# Altium PCB FMC_Breakout.PcbDoc (part 1 of 3)
Units mil, origin at the board's own origin, x right, y up, seen from the top; angles counter-clockwise.
Board outline 2749 x 2731 mil, 4 copper layers (Top Layer, GND, GND (Plane2), Bottom Layer), stack 18.11 mil thick; 9 components, 186 nets, 950 pads, 419 vias.
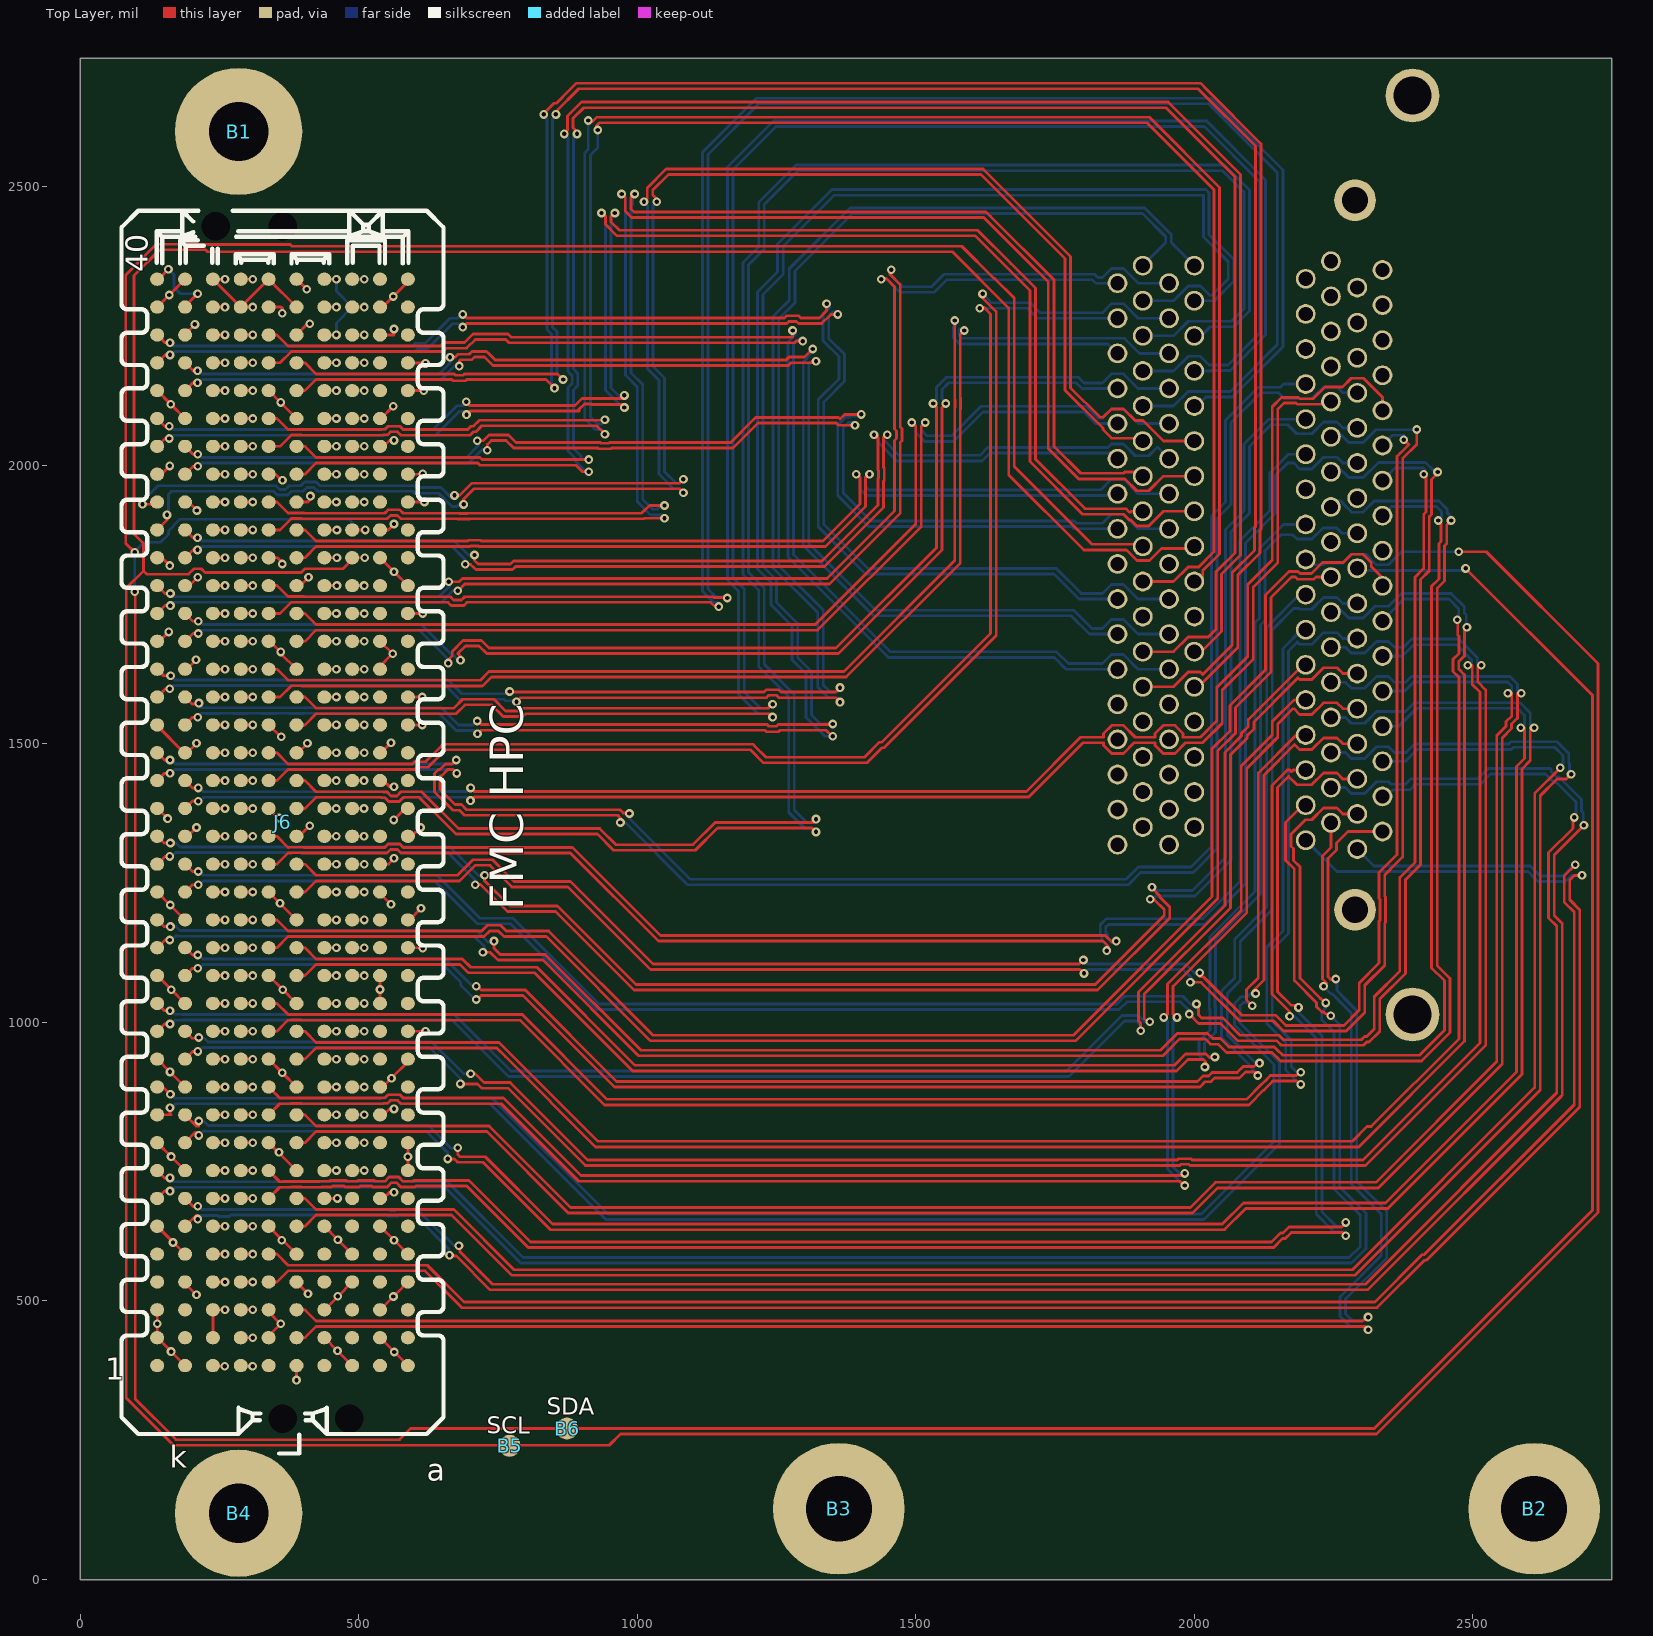
[diagram p0: Top Layer view]
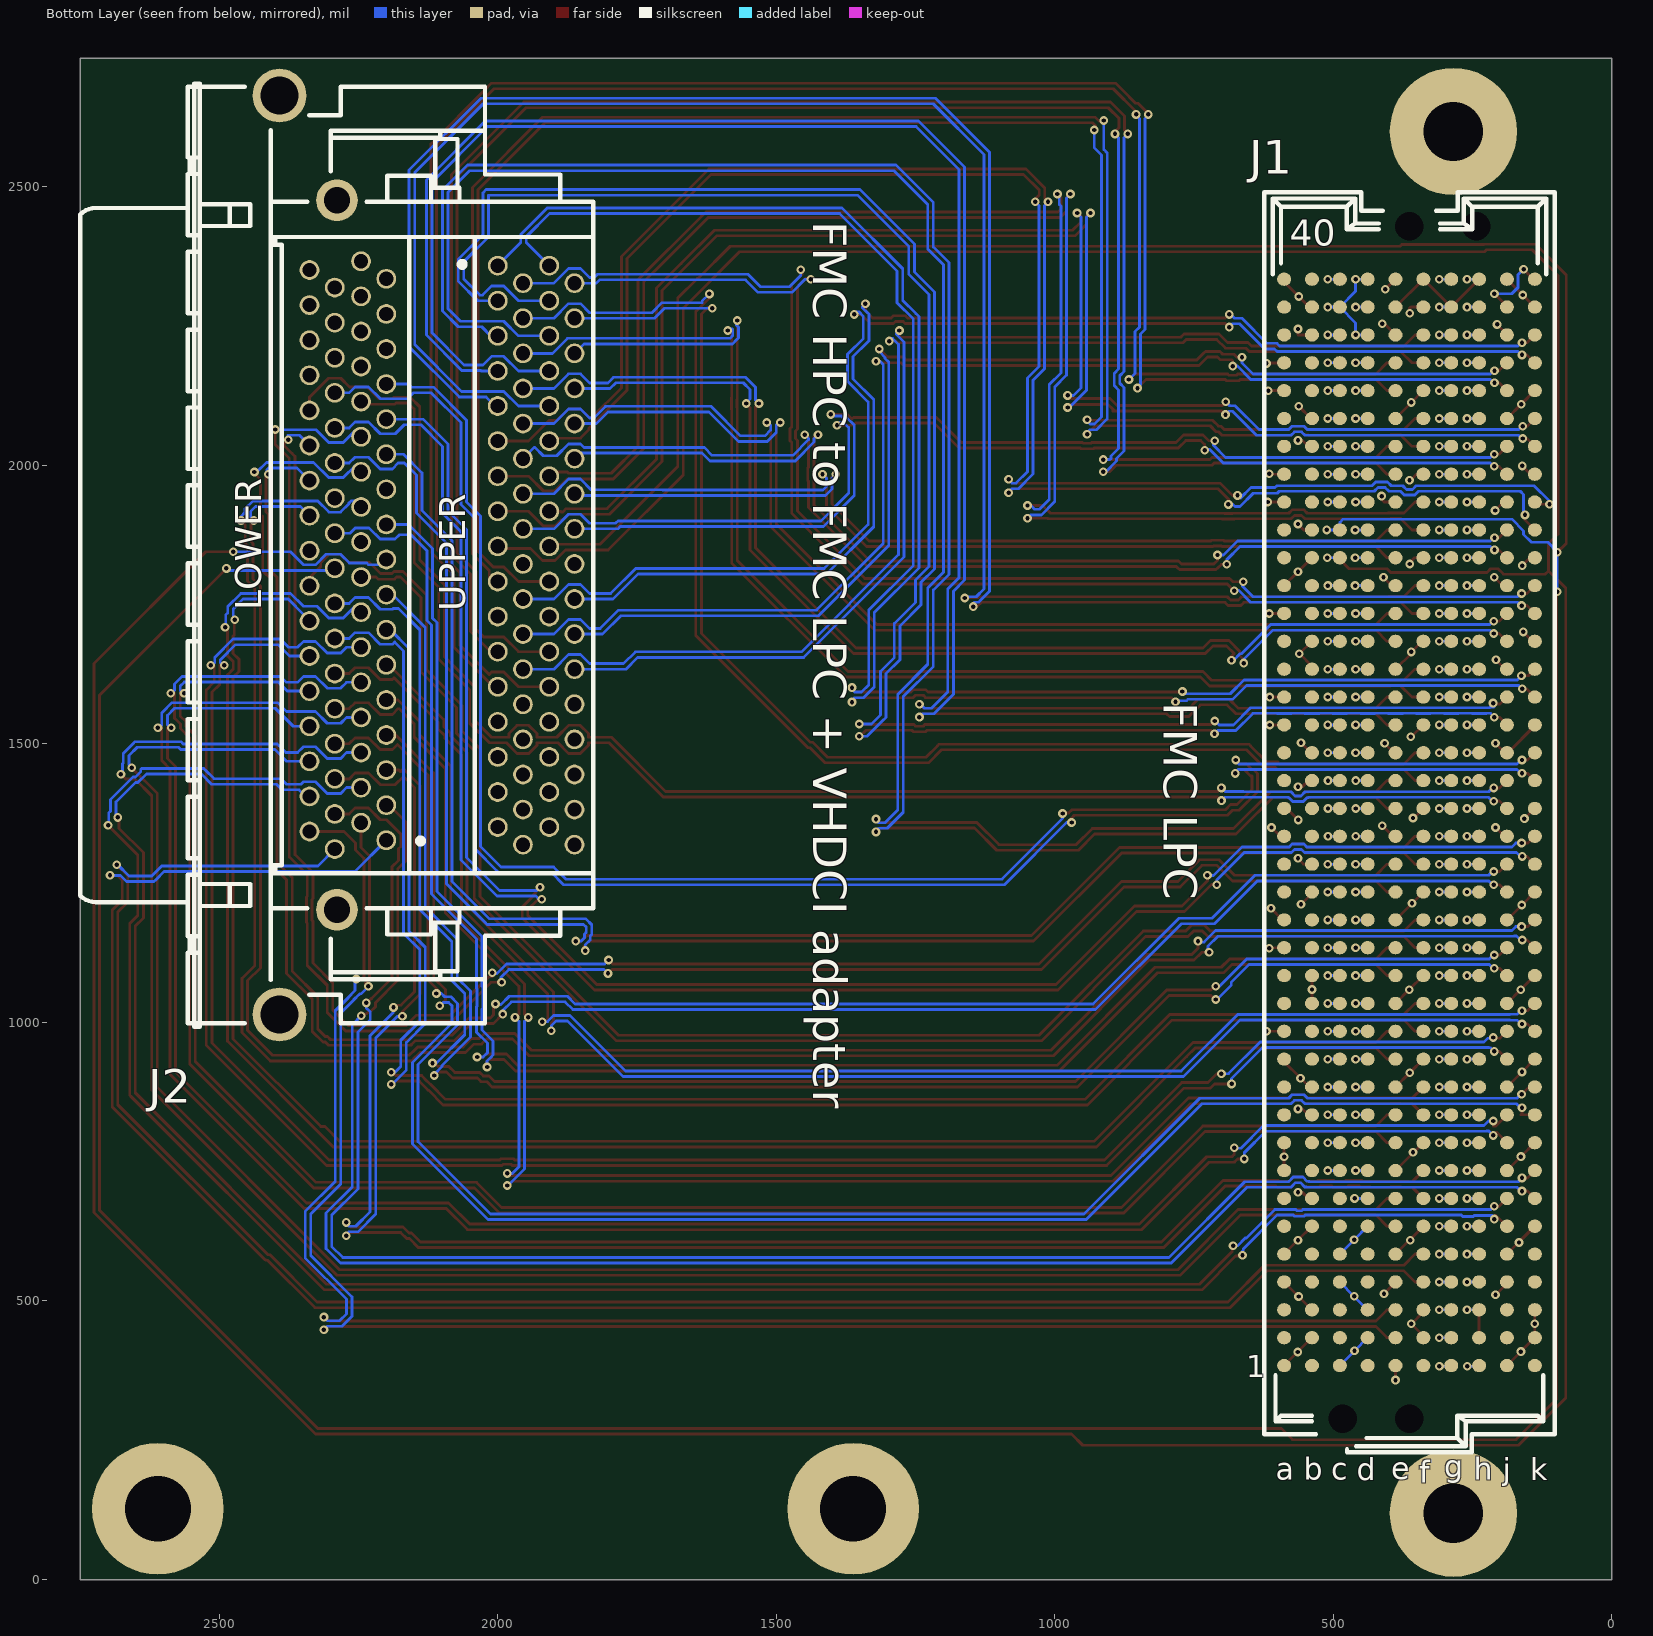
[diagram p1: Bottom Layer view, seen from below]
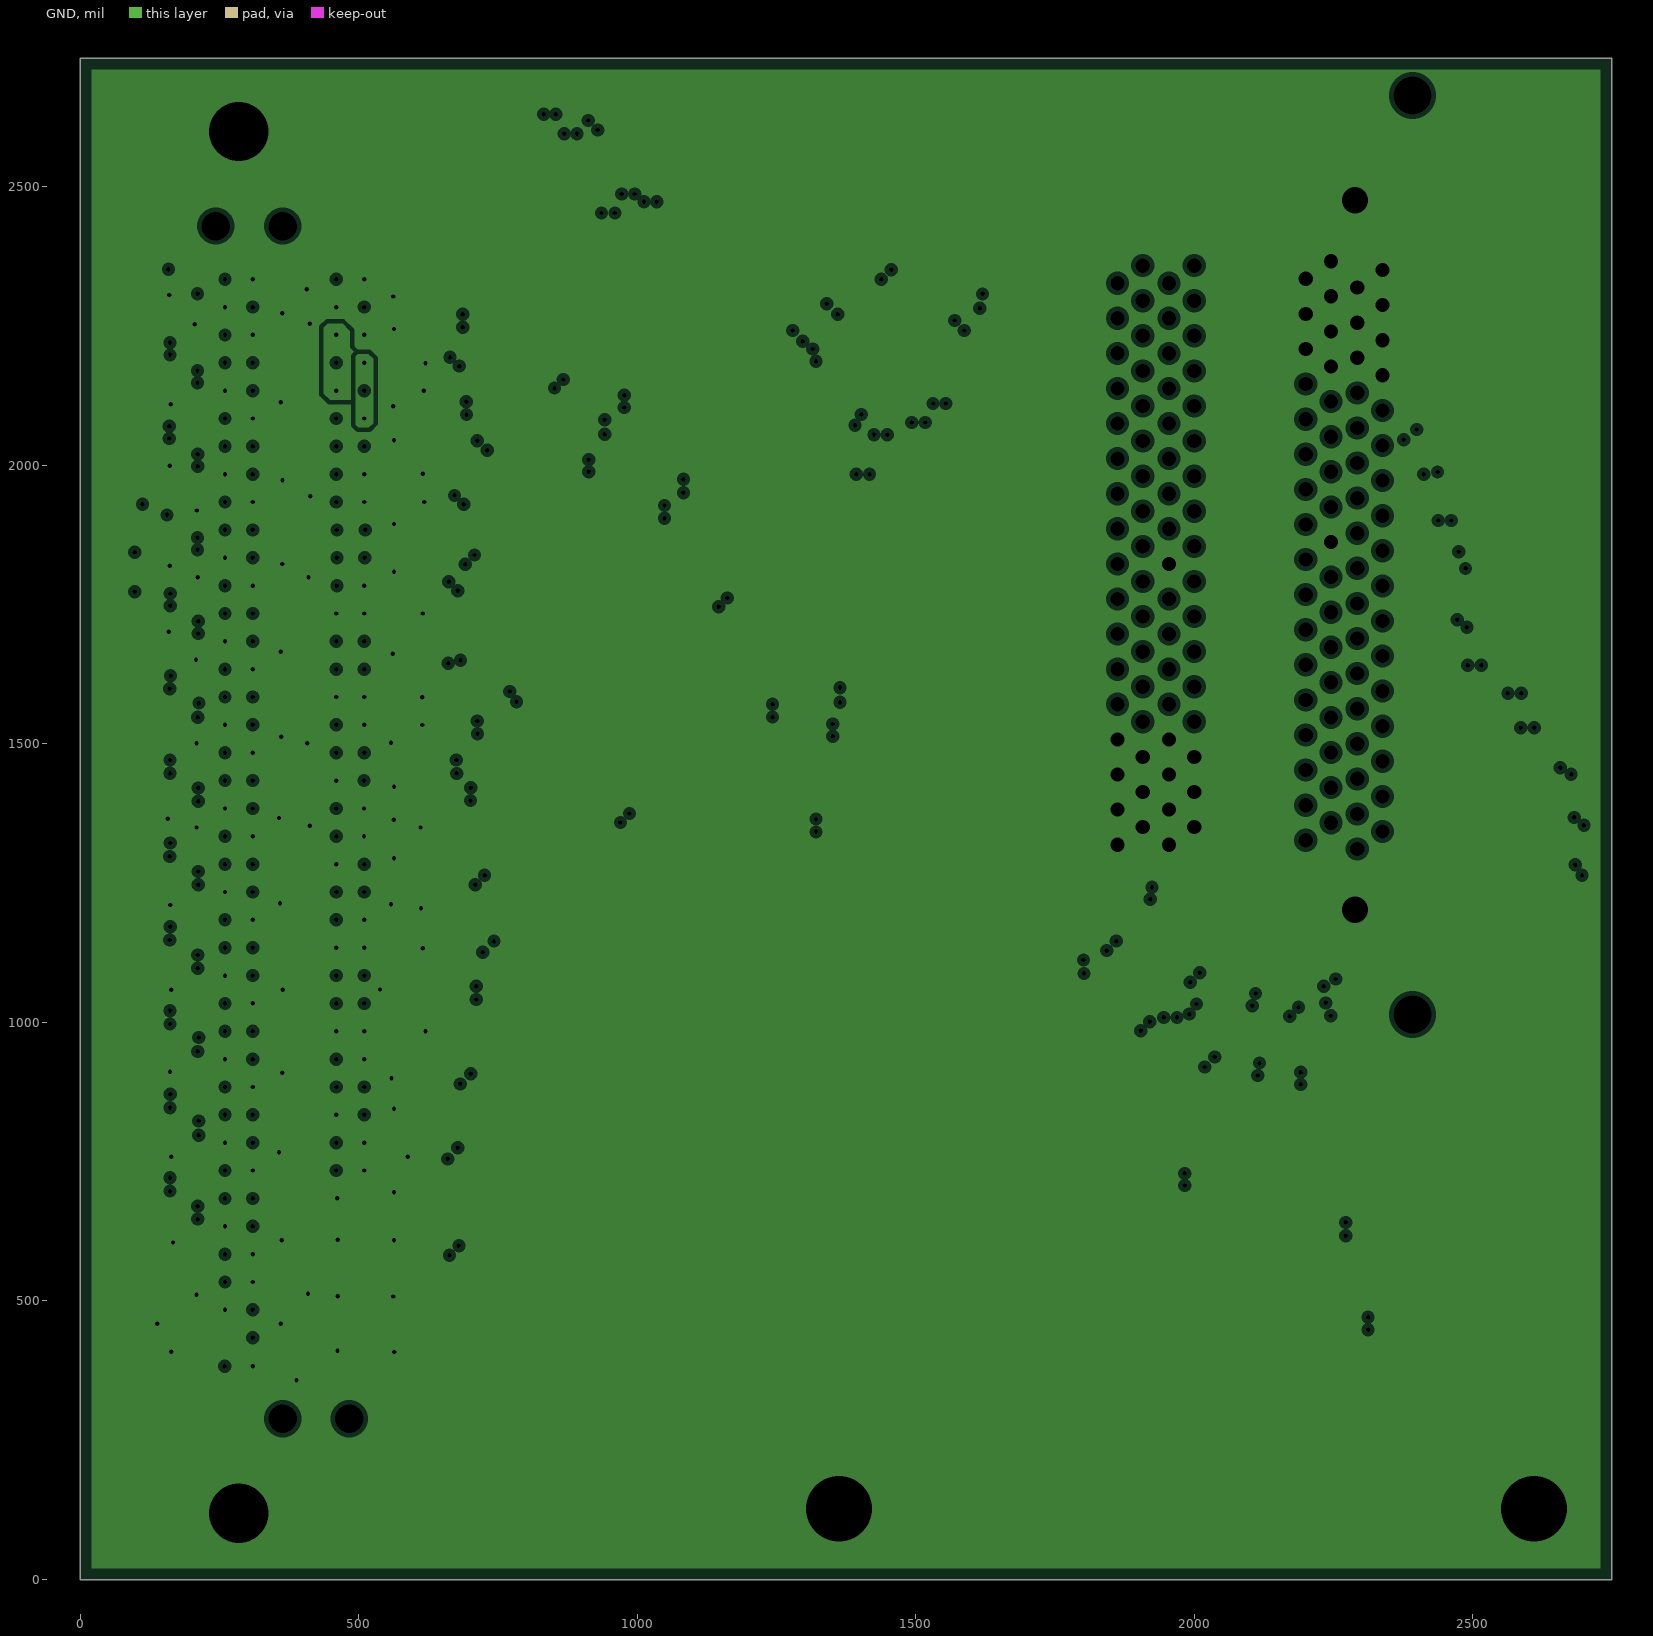
[diagram p2: GND, clearances drawn from the general rule]
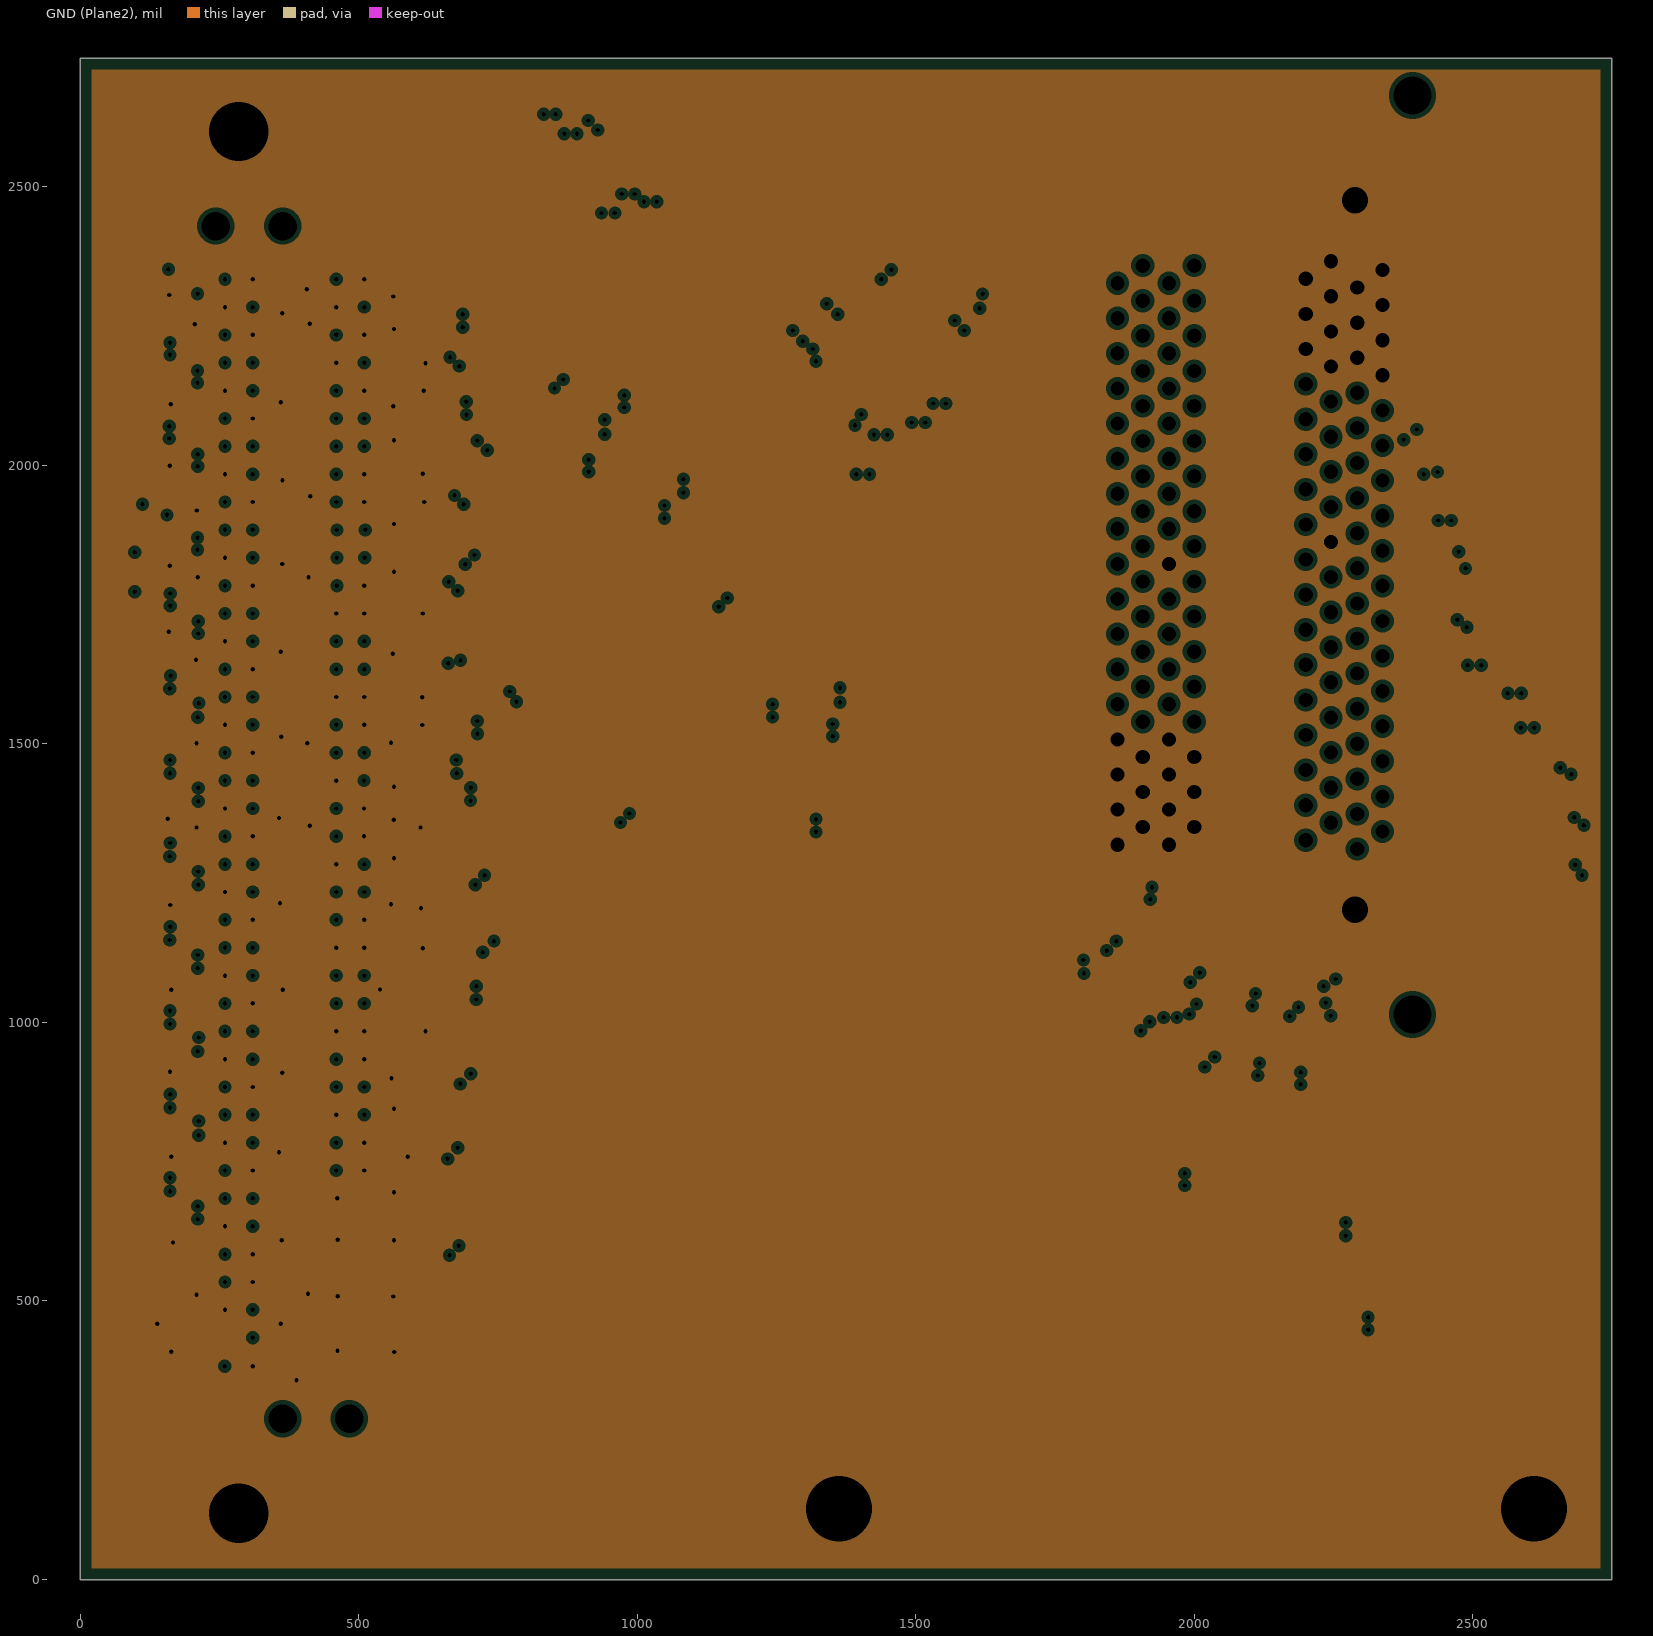
[diagram p3: GND (Plane2), clearances drawn from the general rule]

## Layer stack, top to bottom
Top Solder: solder mask 3, Solder Resist, Dk 3.5
Top Layer: signal copper 1.378
Dielectric1: prepreg 4.3307, FR-4, Dk 4.8
GND: plane copper 0.7087, net GND
Dielectric4: core 3.937, FR-4, Dk 4.8
GND (Plane2): plane copper 1.378, net GND
Dielectric5: prepreg 5, FR-4, Dk 4.2
Bottom Layer: signal copper 1.378
Bottom Solder: solder mask 3, Solder Resist, Dk 3.5

## Board outline
0,0 2749,0 2749,2731 0,2731

## Design rules (kind name [scope] priority, off if disabled: settings)
Clearance "Clearance_poly gnd" [(InNamedPolygon('Top Layer-No Net') AND InNet('GND'))] p1 off: gap=10 ignorepadtopadclearanceinfootprint=FALSE except(0: Arc-Hole Track-Hole SMDPad-Hole THPad-Hole Via-Hole Fill-Hole Poly-Hole Region-Hole Text-Hole)
Clearance Clearance_diff_pairs [(InDifferentialPairClass('All Differential Pairs')) vs (InDifferentialPairClass('All Differential Pairs'))] p2: gap=5 ignorepadtopadclearanceinfootprint=FALSE
Clearance [All] p3: gap=5 ignorepadtopadclearanceinfootprint=FALSE
ComponentClearance [All] p1: gap=0 collisioncheckmode=3 verticalgap=0 showdistances=FALSE
DiffPairsRouting [All] p1: maxlimit=20 minlimit=5 mostfreqgap=5 toplayer_minwidth=5 toplayer_maxwidth=5 toplayer_prefwidth=5 bottomlayer_minwidth=5 bottomlayer_maxwidth=5 bottomlayer_prefwidth=5 maxuncoupledlength=600
FabricationTestPointUsage TestPointUsage [All] p1: valid=0 allowmultiple=FALSE
FabricationTestpoint Testpoint [(IsPad And (OnTopLayer Or OnBottomLayer))] p1: side=3 testpointundercomponent=TRUE minsize=40 maxsize=100 preferedsize=60 minholesize=0 maxholesize=40 preferedholesize=32 testpointgrid=1 allowsidetop=TRUE allowsidebottom=TRUE usegrid=TRUE gridtolerance=0.01
Height Height_Top [OnTop] p1: minheight=0 maxheight=500 prefheight=350
Height Height_Bot [OnBottom] p2: minheight=0 maxheight=65 prefheight=52
HoleSize [All] p1: absolutevalues=TRUE maxlimit=1000 minlimit=1 maxpercent=80.000 minpercent=20.000
HoleToHoleClearance [All] p1: gap=5 allowstackedmicrovias=TRUE
Length [InNetClass('ADC0_D') or InNetClass('ADC1_D') or InNetClass('ADC1_D') or InNetClass('ADC3_D')] p1 off: maxlimit=688.98 minlimit=531.5
MatchedLengths [InNetClass('ADC0_D') or InNetClass('ADC1_D') or InNetClass('ADC1_D') or InNetClass('ADC3_D')] p1 off: tolerance=39.37 checknetsindiffpair=TRUE checkdiffpairvsdiffpair=FALSE checkxsignals=FALSE checkothers=FALSE
MinimumSolderMaskSliver [All] p1 off: minsoldermaskwidth=1
PlaneClearance [All] p1: clearance=8
PlaneConnect Vias_Plane [IsVia] p1: planeconnectstyle=Direct reliefexpansion=20 reliefentries=4 reliefconductorwidth=10 reliefairgap=10
PlaneConnect PlaneConnect_1 [All] p2: planeconnectstyle=Relief reliefexpansion=5 reliefentries=4 reliefconductorwidth=6 reliefairgap=5
PolygonConnect Direc [InPadClass(Direc)] p1: connectstyle=Direct reliefconductorwidth=10 reliefentries=4 polygonreliefangle="90 Angle" airgapwidth=10
PolygonConnect Vias [IsVia] p2: connectstyle=Direct reliefconductorwidth=10 reliefentries=4 polygonreliefangle="90 Angle" airgapwidth=10
PolygonConnect PolygonConnect_LEMO [(InComponent('J1') OR InComponent('J2') OR InComponent('J3') OR InComponent('J4') OR InComponent('J5'))] p3: connectstyle=Relief reliefconductorwidth=9.84 reliefentries=4 polygonreliefangle="90 Angle" airgapwidth=10
PolygonConnect PolygonConnect_1 [All] p4: connectstyle=Relief reliefconductorwidth=10 reliefentries=4 polygonreliefangle="90 Angle" airgapwidth=10
RoomDefinition FMC_Breakout [InComponentClass('FMC_Breakout')] p1 off: confinementstyle=ConfineIn formatcopy=TRUE lockcomponents=FALSE outline 52.67,16.55 713.77,16.55 713.77,2717.38 52.67,2717.38
RoutingVias [All] p1: holewidth=7.87 width=15.75 viastyle="Through Hole" minholewidth=7.87 minwidth=15.75 maxholewidth=15.75 maxwidth=31.5
SilkToSilkClearance [All] p1 off: silktosilkclearance=1
SilkToSolderMaskClearance SilkscreenOverComponentPads [IsPad] p1 off: minsilkscreentomaskgap=2 clearancetoexposedcopper=TRUE
SolderMaskExpansion [All] p1: expansion=0
ViasUnderSMD ViasUnderSMD_allow [InComponent('IC1A')   or InComponent('IC1B') or InComponent('IC1C') or InComponent('IC1D') or InComponent('IC16') or InComponent('IC17') or InComponent('IC24') or InComponent('IC12') or InComponent('IC2') or  InComponent('IC6')   or InComponent('IC5') or InComponent('IC1C') or InComponent('IC7')  or InComponent('IC8')  or InComponent('IC9')  or InComponent('IC12')    or InComponent('IC10')   or InComponent('IC13')   or InComponent('IC11')   or InComponent('IC4')   or InComponent('IC25')   or InComponent('IC15')    or InComponent('IC18')] p1: allowed=TRUE
ViasUnderSMD [All] p2: allowed=FALSE
Width Width_Pair_Diff [(InDifferentialPairClass('All Differential Pairs'))] p1 off: maxlimit=4 minlimit=4 preferedwidth=4 minimp=50.000000 maximp=50.000000 favimp=50.000000
Width [All] p2: maxlimit=100 minlimit=5 preferedwidth=5.3 minimp=50.000000 maximp=50.000000 favimp=50.000000
18 further rules are at their usual default settings.

## Classes and differential pairs
differential pair HB21: +HB21_P -HB21_N
differential pair HB20: +HB20_P -HB20_N
differential pair HB19: +HB19_P -HB19_N
differential pair HB18: +HB18_P -HB18_N
differential pair HB17_CC: +HB17_CC_P -HB17_CC_N
differential pair HB16: +HB16_P -HB16_N
differential pair HB15: +HB15_P -HB15_N
differential pair HB14: +HB14_P -HB14_N
differential pair HB13: +HB13_P -HB13_N
differential pair HB12: +HB12_P -HB12_N
differential pair HB11: +HB11_P -HB11_N
differential pair HB10: +HB10_P -HB10_N
differential pair HB09: +HB09_P -HB09_N
differential pair HB08: +HB08_P -HB08_N
differential pair HB07: +HB07_P -HB07_N
differential pair HB06_CC: +HB06_CC_P -HB06_CC_N
differential pair HB05: +HB05_P -HB05_N
differential pair HB04: +HB04_P -HB04_N
differential pair HB03: +HB03_P -HB03_N
differential pair HB02: +HB02_P -HB02_N
differential pair HB01: +HB01_P -HB01_N
differential pair HB00_CC: +HB00_CC_P -HB00_CC_N
differential pair HA23: +HA23_P -HA23_N
differential pair HA22: +HA22_P -HA22_N
differential pair HA21: +HA21_P -HA21_N
differential pair HA20: +HA20_P -HA20_N
differential pair HA19: +HA19_P -HA19_N
differential pair HA18: +HA18_P -HA18_N
differential pair HA17_CC: +HA17_CC_P -HA17_CC_N
differential pair HA16: +HA16_P -HA16_N
differential pair HA15: +HA15_P -HA15_N
differential pair HA14: +HA14_P -HA14_N
differential pair HA13: +HA13_P -HA13_N
differential pair HA12: +HA12_P -HA12_N
differential pair HA11: +HA11_P -HA11_N
differential pair HA10: +HA10_P -HA10_N
differential pair HA09: +HA09_P -HA09_N
differential pair HA08: +HA08_P -HA08_N
differential pair HA07: +HA07_P -HA07_N
differential pair HA06: +HA06_P -HA06_N
differential pair HA05: +HA05_P -HA05_N
differential pair HA04: +HA04_P -HA04_N
differential pair HA03: +HA03_P -HA03_N
differential pair HA02: +HA02_P -HA02_N
differential pair HA01_CC: +HA01_CC_P -HA01_CC_N
differential pair HA00_CC: +HA00_CC_P -HA00_CC_N

## Components (designator, comment, footprint, x,y, rotation, side; value= is the part's Value field where it differs from the comment)
B1 "Plated Hole" MTG300_600#1 284.64,2599.27 r0 top
B2 "Plated Hole" MTG300_600#2 2610,127 r0 top
B3 "Plated Hole" MTG300_600#2 1362,127 r0 top
B4 "Plated Hole" MTG300_600#1 284.64,118.95 r0 top
B5 "SMD Pad" C100 771,240 r0 top
B6 "SMD Pad" C100 874,271 r0 top
J1 "VITA 57" SAMTEC_ASP-134486-01 363.38,1359.1 r270 bottom locked
J2 "VHDCI" MOLEX_74337-0015 2100,1839 r90 bottom locked
J6 "VITA 57" SAMTEC_ASP-134488-01 363.38,1359.11 r270 top locked
